# KiCad board Erebus.kicad_pcb (continued)
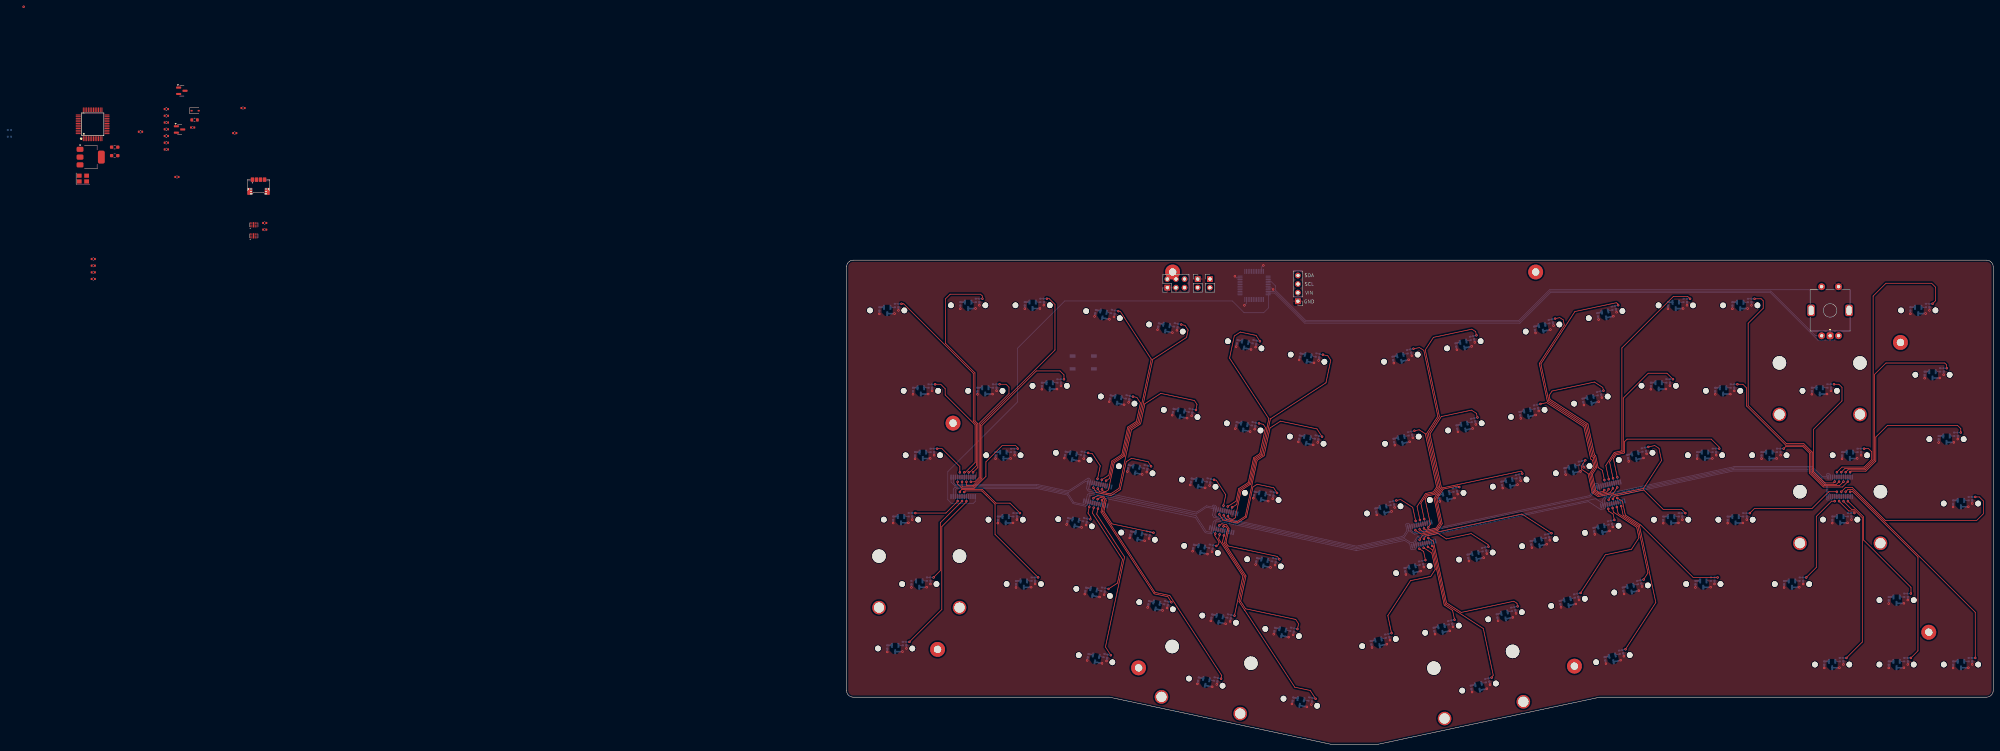
[diagram p0: board, top side]
## Routing (per net, layer and track width the routed paths; a pad name or vN(x,y) marks a point on that pad's centre or on a via; arc(x,y) is an arc through that point) (continued)
/ADC1_IN3: length 149.6
  Bottom w0.2: U5.12 124.83,132.81 124.83,129.13 123.34,127.64 117.58,127.64 114.08,131.14 64.54,131.14 50.54,117.14 50.54,101.24 29.94,80.64 29.94,72.34 31,71.28 37.48,71.28 38.05,71.84 U7.1
/ENCODER_A: length 176.6
  Bottom w0.2: ENCODER1.A 286.51,120.83 273.31,134.04 208.04,134.04 198.95,124.95 135.63,124.95 126.61,133.96 U5.10
/ENCODER_B: length 182.5
  Bottom w0.2: ENCODER1.B 292.04,119.53 287.25,119.53 273.14,133.64 208.21,133.64 199.12,124.55 135.46,124.55 126.55,133.46 U5.11
/ENCODER_SW: length 173.4
  Bottom w0.2: ENCODER1.S2 287.45,134.44 207.88,134.44 198.79,125.35 135.79,125.35 126.84,134.3 126.84,135.57 125.45,136.96 U5.4
/multiplexers/keys/KEYS_0_0: length 63.9
  Top w0.2: v1(36.1,80.43) 36.41,80.43 38.41,82.43 38.41,94.66 37.46,95.61 37.46,109.73 16.92,130.28 v1(16.23,130.28)
  Bottom w0.2: v1(16.23,130.28) 16.23,130.28 C12.1 15.33,130.28 R4.1 ; v1(36.1,80.43) U7.21
/multiplexers/keys/KEYS_0_1: length 71.7
  Top w0.2: v1(40.17,131.79) 40.17,132.58 39.63,133.12 30.63,133.12 29.23,131.72 29.23,118.6 37.96,109.87 37.96,95.67 38.81,94.83 38.81,81.84 v1(37.4,80.43)
  Bottom w0.2: R5.1 39.27,131.79 C14.1 40.17,131.79 v1(40.17,131.79) ; v1(37.4,80.43) U7.23
/multiplexers/keys/KEYS_0_2: length 73
  Top w0.2: v1(35.45,77.63) 35.45,76.69 35.61,76.53 37.38,76.53 39.61,78.76 39.61,94.61 61.63,116.63 61.63,130.09 59.92,131.8 v1(59.24,131.8)
  Bottom w0.2: v1(59.24,131.8) 59.24,131.8 C16.1 58.33,131.8 R6.1 ; v1(35.45,77.63) U7.20
/multiplexers/keys/KEYS_0_3: length 61.1
  Top w0.2: v1(76.75,77.97) 77.76,78.62 78.8,83.53 81.77,85.46 83.49,93.55 86.14,95.28 90.1,113.93 82.11,126.24 82.12,126.26 81.02,127.96 v1(80.35,128.1)
  Bottom w0.2: R7.1 79.47,128.29 C18.1 v1(80.35,128.1) ; v1(76.75,77.97) U6.21
/multiplexers/keys/KEYS_0_4: length 65
  Top w0.2: v1(75.53,75.37) 75.84,74.89 76.62,74.73 77.45,75.26 79.16,83.29 82.12,85.21 83.84,93.31 86.55,95.07 90.55,113.85 100.54,120.34 101,122.53 100.1,123.91 v1(98.97,124.15)
  Bottom w0.2: R8.1 98.09,124.34 C20.1 v1(98.97,124.15) ; v1(75.53,75.37) U6.20
/multiplexers/keys/KEYS_0_5: length 70.6
  Top w0.2: v1(122.24,119.18) 121.11,120.92 116.43,121.92 114.65,120.76 113.26,114.21 124.89,96.31 122.64,85.74 120.72,84.49 119.17,77.2 116.32,75.35 115.38,70.95 v1(114,70.05)
  Bottom w0.2: v1(114,70.05) U8.21 ; v1(122.24,119.18) 122.24,119.19 C22.1 121.35,119.38 R9.1
/multiplexers/keys/KEYS_0_6: length 67.9
  Top w0.2: v1(112.79,67.45) 113.25,66.74 114.24,66.53 114.95,66.99 116.68,75.11 119.52,76.95 121.07,84.25 123.06,85.53 125.33,96.25 141.77,106.92 143.18,113.57 142.31,114.91 v1(140.85,115.22)
  Bottom w0.2: v1(140.85,115.22) C24.1 139.97,115.41 R10.1 ; v1(112.79,67.45) U8.20
/multiplexers/keys/KEYS_0_7: length 61.1
  Top w0.2: v1(170.82,66.61) 169.83,71.29 171.45,73.8 173.77,74.29 174.95,76.1 171.57,91.99 174.84,97.03 170.71,116.49 169.4,117.34 167.66,116.97 v1(167.63,116.99)
  Bottom w0.2: v1(170.82,66.61) U9.21 ; R11.1 166.74,116.8 C26.1 v1(167.63,116.99)
/multiplexers/keys/KEYS_0_8: length 79
  Top w0.2: v1(186.26,120.95) 186.03,122.06 184.91,122.78 173.56,120.37 171.14,116.63 175.32,96.94 172.05,91.9 175.41,76.08 174.02,73.93 171.7,73.44 171.08,72.49 172.66,65.08 v1(172.02,64.1)
  Bottom w0.2: v1(172.02,64.1) U9.22 ; R12.1 185.38,120.77 C28.1 v1(186.26,120.95)
/multiplexers/keys/KEYS_0_9: length 71.1
  Top w0.2: v1(209.54,125.9) 210.89,126.19 211.92,125.53 212.25,124 204.85,112.61 207.22,101.46 218.43,94.18 220.36,85.12 220.82,84.82 221.43,81.95 220.12,79.94 221.2,74.88 222.4,74.1 224.81,74.61 v1(225.35,75.44)
  Bottom w0.2: v1(209.54,125.9) 209.54,125.91 C30.1 208.65,125.72 R13.1 ; v1(225.35,75.44) U10.18
/multiplexers/keys/KEYS_0_10: length 82.9
  Top w0.2: v1(224.08,75.17) 223.85,74.81 222.48,74.52 221.56,75.12 220.55,79.86 221.85,81.87 221.16,85.14 220.76,85.4 218.83,94.46 207.62,101.74 205.33,112.52 215.38,128 227.61,130.6 228.08,130.29 v1(228.17,129.87)
  Bottom w0.2: v1(224.08,75.17) U10.16 ; v1(228.17,129.87) C32.1 227.29,129.68 R14.1
/multiplexers/keys/KEYS_0_11: length 71.7
  Top w0.2: v1(225.38,78.41) 224.52,82.46 227.03,86.33 229.28,86.8 229.28,117.23 244.52,132.47 248.74,132.47 v1(249.43,131.78)
  Bottom w0.2: v1(249.43,131.78) 249.43,131.78 C34.1 248.53,131.78 R15.1 ; v1(225.38,78.41) U10.19
/multiplexers/keys/KEYS_0_12: length 79.2
  Top w0.2: v1(293.5,77.69) 292.7,76.89 289.2,76.89 285.57,80.52 285.57,86.42 283.07,88.92 277.91,88.92 266.61,100.22 266.61,124.52 271.06,128.97 271.06,131.17 270.46,131.78 v1(268.49,131.78)
  Bottom w0.2: v1(293.5,77.69) U11.18 ; R16.1 267.59,131.78 C36.1 v1(268.49,131.78)
/multiplexers/keys/KEYS_0_13: length 88.7
  Top w0.2: v1(294.15,80.49) 295.25,81.59 301.09,81.59 303.57,84.07 303.57,132.57 307.36,136.37 320.86,136.37 322.06,135.17 322.06,131.23 v1(321.12,130.29)
  Bottom w0.2: v1(321.12,130.29) C38.1 320.22,130.29 R17.1 ; v1(294.15,80.49) U11.19
/multiplexers/keys/KEYS_1_0: length 36.8
  Top w0.2: v1(26.19,106.48) 27.85,106.48 29.16,105.17 29.16,103.34 38.01,94.49 38.01,83.33 35.11,80.43 v1(34.8,80.43)
  Bottom w0.2: v1(26.19,106.48) C40.1 25.29,106.48 R18.1 ; v1(34.8,80.43) U7.19
/multiplexers/keys/KEYS_1_1: length 39.8
  Top w0.2: v1(36.75,77.63) 37.91,77.63 39.21,78.92 39.21,94.91 48.03,103.73 48.03,105.62 47.17,106.48 v1(45.25,106.48)
  Bottom w0.2: v1(45.25,106.48) 45.25,106.48 C42.1 44.34,106.48 R19.1 ; v1(36.75,77.63) U7.22
/multiplexers/keys/KEYS_1_2: length 60.1
  Top w0.2: v1(34.15,77.63) 34.15,76.25 34.28,76.13 37.54,76.13 40.01,78.59 40.01,94.31 56.12,110.42 63.13,110.42 64.29,109.26 v1(64.29,107.96)
  Bottom w0.2: v1(64.29,107.96) C44.1 63.39,107.97 R20.1 ; v1(34.15,77.63) U7.18
/multiplexers/keys/KEYS_1_3: length 33.8
  Top w0.2: v1(75.48,78.24) 77.55,79.59 78.44,83.78 81.41,85.7 83.13,93.8 85.72,95.48 86.89,100.99 85.85,102.59 v1(84.7,102.84)
  Bottom w0.2: R21.1 83.81,103.03 C46.1 v1(84.69,102.84) ; v1(75.48,78.24) U6.19
/multiplexers/keys/KEYS_1_4: length 56.5
  Top w0.2: v1(74.26,75.64) 74.88,74.69 78.01,74.02 80.56,75.68 84.24,93.03 86.96,94.79 88.22,100.73 92.92,103.78 102.88,101.67 103.64,100.5 103.3,98.91 v1(103.33,98.86)
  Bottom w0.2: R22.1 102.44,99.06 C48.1 103.33,98.87 v1(103.33,98.86) ; v1(74.26,75.64) U6.18
/multiplexers/keys/KEYS_1_5: length 33.6
  Top w0.2: v1(112.73,70.32) 115.18,71.91 115.96,75.6 118.81,77.45 120.36,84.74 122.22,85.95 123.87,93.67 123.24,94.63 v1(121.97,94.9)
  Bottom w0.2: v1(121.97,94.9) C50.1 121.08,95.09 R23.1 ; v1(112.73,70.32) U8.19
/multiplexers/keys/KEYS_1_6: length 56.1
  Top w0.2: v1(140.61,90.96) 139.12,93.27 128.31,95.57 125.22,93.56 123.47,85.33 121.43,84 117.91,67.45 115.46,65.86 112.28,66.53 v1(111.51,67.72)
  Bottom w0.2: v1(111.51,67.72) U8.18 ; v1(140.61,90.96) 140.61,90.97 C52.1 139.73,91.16 R24.1
/multiplexers/keys/KEYS_1_7: length 35.7
  Top w0.2: v1(169.55,66.34) 168.71,70.3 171.21,74.15 173.53,74.65 174.48,76.12 171.14,91.84 169.33,93.02 v1(167.92,92.72)
  Bottom w0.2: v1(169.55,66.34) U9.19 ; v1(167.92,92.72) C54.1 167.04,92.53 R25.1
/multiplexers/keys/KEYS_1_8: length 54.7
  Top w0.2: v1(186.57,96.67) 186.52,96.7 186.28,97.86 184.78,98.83 175.88,96.94 172.53,91.78 175.87,76.06 173.72,72.75 175.29,65.38 174.35,63.93 171.52,63.33 v1(170.75,63.83)
  Bottom w0.2: v1(170.75,63.83) U9.20 ; v1(186.56,96.67) C56.1 185.68,96.48 R26.1
/multiplexers/keys/KEYS_1_9: length 45.5
  Top w0.2: v1(205.17,100.64) 207.04,101.04 218.03,93.91 220.06,84.36 220.58,84.02 221,82.03 219.7,80.02 220.84,74.63 222.32,73.67 225.77,74.4 v1(226.62,75.71)
  Bottom w0.2: R27.1 204.29,100.46 C58.1 205.17,100.65 v1(205.17,100.64) ; v1(226.62,75.71) U10.20
/multiplexers/keys/KEYS_1_10: length 54.1
  Top w0.2: v1(223.83,104.58) 223.63,105.53 221.15,107.14 208.62,104.48 207.78,103.18 208.03,102.01 219.23,94.73 221.17,85.6 221.52,85.38 222.28,81.79 222.32,81.8 223.5,81.03 v1(224.11,78.14)
  Bottom w0.2: v1(224.11,78.14) U10.17 ; v1(223.83,104.58) C60.1 222.94,104.4 R28.1
/multiplexers/keys/KEYS_1_11: length 48.1
  Top w0.2: v1(226.65,78.68) 225.64,83.45 227.27,85.97 229.56,86.45 229.68,86.64 229.68,102.38 237.05,109.75 242.61,109.75 v1(244.38,107.98)
  Bottom w0.2: R29.1 243.47,107.98 C62.1 v1(244.38,107.98) ; v1(226.65,78.68) U10.21
/multiplexers/keys/KEYS_1_12: length 54.2
  Top w0.2: v1(294.8,77.69) 293.6,76.49 289.04,76.49 285.17,80.36 285.17,86.26 282.96,88.47 277.73,88.47 266.16,100.03 266.16,105.37 265.05,106.48 v1(263.41,106.48)
  Bottom w0.2: v1(294.8,77.69) U11.20 ; R30.1 262.51,106.48 C64.1 v1(263.41,106.48)
/multiplexers/keys/KEYS_1_13: length 42.2
  Top w0.2: v1(292.2,77.69) 291.8,77.29 289.37,77.29 285.97,80.69 285.97,93.17 294.36,101.57 294.36,105.57 293.44,106.49 v1(291.99,106.49)
  Bottom w0.2: R31.1 291.08,106.49 C66.1 v1(291.99,106.49) ; v1(292.2,77.69) U11.16
/multiplexers/keys/KEYS_1_14: length 62.8
  Top w0.2: v1(325.34,111.24) 325.31,111.27 325.31,112.23 324.76,112.77 307.36,112.77 303.97,109.37 303.97,83.91 301.25,81.19 296.15,81.19 v1(295.45,80.49)
  Bottom w0.2: R32.1 324.43,111.24 C68.1 v1(325.34,111.24) ; v1(295.45,80.49) U11.21
/multiplexers/keys/KEYS_2_0: length 14
  Top w0.2: v1(33.5,80.43) 33.5,82.15 28.22,87.43 v1(26.79,87.43)
  Bottom w0.2: v1(33.5,80.43) U7.17 ; R33.1 25.88,87.43 C70.1 26.79,87.43 v1(26.79,87.43)
/multiplexers/keys/KEYS_2_1: length 30.5
  Top w0.2: v1(50.6,87.43) 50.6,87.74 50.01,88.33 46.01,88.33 41.21,83.53 41.21,79.23 37.71,75.73 34.11,75.73 32.85,76.99 v1(32.85,77.63)
  Bottom w0.2: v1(32.85,77.63) U7.16 ; R34.1 49.7,87.43 C72.1 v1(50.6,87.43)
/multiplexers/keys/KEYS_2_2: length 12.9
  Top w0.2: v1(71.41,86.18) 72.71,85.9 75.02,82.34 v1(74.21,78.51)
  Bottom w0.2: R35.1 70.53,86.37 C74.1 v1(71.41,86.18) ; v1(74.21,78.51) U6.17
/multiplexers/keys/KEYS_2_3: length 29.5
  Top w0.2: v1(72.99,75.91) 73.91,74.48 78.22,73.57 80.94,75.34 82.69,83.56 84.28,84.59 89.18,83.54 v1(90.04,82.21)
  Bottom w0.2: v1(90.04,82.21) 90.04,82.22 C76.1 89.16,82.41 R36.1 ; v1(72.99,75.91) U6.16
/multiplexers/keys/KEYS_2_4: length 12.5
  Top w0.2: v1(108.66,78.24) 109.33,78.1 112.14,73.77 v1(111.46,70.59)
  Bottom w0.2: v1(108.66,78.24) 108.66,78.24 C78.1 107.78,78.43 R37.1 ; v1(111.46,70.59) U8.17
/multiplexers/keys/KEYS_2_5: length 30.2
  Top w0.2: v1(110.24,67.99) 111.32,66.33 115.54,65.43 118.27,67.2 120.16,76.1 121.4,76.91 126.3,75.87 v1(127.3,74.33)
  Bottom w0.2: R38.1 126.42,74.52 C80.1 v1(127.3,74.33) ; v1(110.24,67.99) U8.16
/multiplexers/keys/KEYS_2_6: length 12.9
  Top w0.2: v1(162.58,72.11) 162.58,72.12 163.85,72.38 167.43,70.06 v1(168.28,66.07)
  Bottom w0.2: v1(168.28,66.07) U9.17 ; v1(162.57,72.11) C82.1 161.69,71.92 R39.1
/multiplexers/keys/KEYS_2_7: length 28.7
  Top w0.2: v1(181.19,76.08) 180.72,76.39 176.45,75.48 174.58,72.6 176.15,65.23 174.84,63.22 169.92,62.18 v1(168.2,63.29)
  Bottom w0.2: R40.1 180.31,75.9 C84.1 181.19,76.08 v1(181.19,76.08) ; v1(168.2,63.29) U9.16
/multiplexers/keys/KEYS_2_8: length 46.8
  Top w0.2: v1(169.48,63.56) 170.72,62.75 174.6,63.58 175.71,65.3 174.15,72.67 176.21,75.84 199.47,80.78 199.68,80.64 v1(199.81,80.03)
  Bottom w0.2: v1(199.81,80.03) C86.1 198.93,79.85 R41.1 ; v1(169.48,63.56) U9.18
/multiplexers/keys/KEYS_2_9: length 23.3
  Top w0.2: v1(218.44,83.99) 217.25,82.16 217.44,81.25 219.28,80.06 220.48,74.39 222.24,73.24 226.74,74.2 v1(227.89,75.98)
  Bottom w0.2: v1(227.89,75.98) U10.22 ; R42.1 217.56,83.81 C88.1 218.44,84 v1(218.44,83.99)
/multiplexers/keys/KEYS_2_10: length 31.5
  Top w0.2: v1(237.07,87.94) 238.99,88.35 240.24,87.54 241.01,83.92 235.66,75.69 226.24,73.69 v1(225.35,72.31)
  Bottom w0.2: R43.1 236.19,87.76 C90.1 237.07,87.95 v1(237.07,87.94) ; v1(225.35,72.31) U10.8
/multiplexers/keys/KEYS_2_11: length 46.1
  Top w0.2: v1(227.93,78.95) 226.76,84.44 227.52,85.61 229.9,86.12 230.08,86.3 230.08,89.53 230.8,90.25 255.7,90.25 258.07,87.88 v1(258.07,87.44)
  Bottom w0.2: v1(258.07,87.44) 258.07,87.44 C92.1 257.16,87.44 R44.1 ; v1(227.93,78.95) U10.23
/multiplexers/keys/KEYS_2_12: length 31.6
  Top w0.2: v1(277.11,87.44) 277.68,88.02 282.84,88.02 284.77,86.09 284.77,80.19 288.87,76.09 294.5,76.09 v1(296.1,77.69)
  Bottom w0.2: v1(296.1,77.69) U11.22 ; R45.1 276.2,87.44 C94.1 v1(277.1,87.44)
/multiplexers/keys/KEYS_2_13: length 20.2
  Top w0.2: v1(292.85,80.49) 294.35,81.99 300.92,81.99 303.17,84.24 303.17,86.49 302.23,87.43 v1(300.92,87.43)
  Bottom w0.2: v1(300.92,87.43) C96.1 300.01,87.43 R46.1 ; v1(292.85,80.49) U11.17
/multiplexers/keys/KEYS_2_14: length 47.6
  Top w0.2: v1(329.49,92.2) 329.49,93.34 328.56,94.27 307.76,94.27 304.37,90.87 304.37,83.74 301.42,80.79 297.05,80.79 v1(296.75,80.49)
  Bottom w0.2: v1(296.75,80.49) U11.23 ; R47.1 328.59,92.21 C98.1 v1(329.49,92.2)
/multiplexers/keys/KEYS_3_0: length 17.3
  Top w0.2: v1(32.85,71.93) 32.85,71.86 29.37,68.39 v1(20.32,68.39)
  Bottom w0.2: v1(20.32,68.39) 20.32,68.39 C100.1 19.42,68.39 R48.1 ; v1(32.85,71.93) U7.9
/multiplexers/keys/KEYS_3_1: length 24.3
  Top w0.2: v1(51.27,68.38) 48.33,71.33 44.18,71.33 41.58,73.93 41.56,73.93 40.16,75.33 34.01,75.33 33.5,74.81 v1(33.5,74.63)
  Bottom w0.2: v1(33.5,74.63) U7.8 ; R49.1 50.37,68.38 C102.1 v1(51.27,68.38)
/multiplexers/keys/KEYS_3_2: length 7.3
  Top w0.2: v1(71.79,70.25) 71.39,68.4 72.23,67.11 v1(72.11,66.54)
  Bottom w0.2: R50.1 71.22,66.73 C104.1 72.11,66.54 v1(72.11,66.54) ; v1(71.79,70.25) U6.9
/multiplexers/keys/KEYS_3_3: length 28.3
  Top w0.2: v1(72.99,72.78) 74.23,73.59 76.15,73.18 76.8,72.19 76.09,68.87 78.48,65.19 v1(90.74,62.58)
  Bottom w0.2: R51.1 89.86,62.77 C106.1 90.74,62.58 v1(90.74,62.58) ; v1(72.99,72.78) U6.8
/multiplexers/keys/KEYS_3_4: length 7.7
  Top w0.2: v1(109.33,58.66) 110,59.09 110.16,59.83 108.91,61.74 v1(109.04,62.32)
  Bottom w0.2: v1(109.33,58.66) C108.1 108.45,58.85 R52.1 ; v1(109.04,62.32) U8.9
/multiplexers/keys/KEYS_3_5: length 28.2
  Top w0.2: v1(110.21,64.72) 110.98,65.22 112.38,64.93 113.09,63.83 112.2,59.63 112.83,58.65 127.42,55.54 v1(127.98,54.69)
  Bottom w0.2: v1(110.21,64.72) U8.8 ; R53.1 127.09,54.88 C110.1 v1(127.98,54.69)
/multiplexers/keys/KEYS_3_6: length 7.3
  Top w0.2: v1(169.36,57.84) 170.65,57 v1(171.19,54.47)
  Bottom w0.2: R54.1 170.3,54.28 C112.1 v1(171.19,54.47) ; v1(169.36,57.84) U9.9
/multiplexers/keys/KEYS_3_7: length 25
  Top w0.2: v1(170.73,60.77) 171.27,61.6 174.87,62.36 177.36,60.75 184.69,62.3 189.69,59.06 v1(189.82,58.44)
  Bottom w0.2: R55.1 188.93,58.26 C114.1 v1(189.82,58.44) ; v1(170.73,60.77) U9.6
/multiplexers/keys/KEYS_3_8: length 45.4
  Top w0.2: v1(169.46,60.5) 170.34,61.86 199.7,68.1 v1(208.45,62.42)
  Bottom w0.2: v1(208.45,62.42) C116.1 207.56,62.23 R56.1 ; v1(169.46,60.5) U9.8
/multiplexers/keys/KEYS_3_9: length 7.3
  Top w0.2: v1(227.05,66.35) 226.68,68.1 225.4,68.93 v1(225.25,69.63)
  Bottom w0.2: v1(225.25,69.63) U10.9 ; v1(227.05,66.35) 227.05,66.36 C118.1 226.17,66.17 R57.1
/multiplexers/keys/KEYS_3_10: length 28.1
  Top w0.2: v1(248.05,68.36) 246.92,69.49 241.47,69.49 235.73,75.23 235.7,75.23 227.16,73.41 v1(226.62,72.58)
  Bottom w0.2: v1(248.05,68.36) 248.05,68.37 C120.1 247.14,68.37 R58.1 ; v1(226.62,72.58) U10.6
/multiplexers/keys/KEYS_3_11: length 31.7
  Top w0.2: v1(267.1,68.36) 268.45,69.72 285.49,69.72 290.46,74.69 v1(292.85,74.69)
  Bottom w0.2: v1(292.85,74.69) U11.8 ; R59.1 266.19,68.37 C122.1 267.1,68.37 v1(267.1,68.36)
/multiplexers/keys/KEYS_3_12: length 9.5
  Top w0.2: v1(298.05,68.39) 298.05,68.71 297.77,68.99 296.37,68.99 293.5,71.86 v1(293.5,71.89)
  Bottom w0.2: R60.1 297.14,68.39 C124.1 v1(298.05,68.39) ; U11.7 v1(293.5,71.89)
/multiplexers/keys/KEYS_3_13: length 57.4
  Top w0.2: v1(333.76,73.15) 334.98,73.15 336.16,71.97 336.16,68.17 334.16,66.17 307.19,66.17 297.47,75.89 295.35,75.89 v1(294.15,74.69)
  Bottom w0.2: v1(333.76,73.15) 333.76,73.15 C126.1 332.86,73.16 R61.1 ; v1(294.15,74.69) U11.6
/multiplexers/keys/KEYS_4_0: length 29.4
  Top w0.2: v1(25.72,49.34) 27.72,51.34 27.72,65.5 v1(34.15,71.93)
  Bottom w0.2: v1(25.72,49.34) C128.1 24.82,49.34 R62.1 ; v1(34.15,71.93) U7.7
/multiplexers/keys/KEYS_4_1: length 41.4
  Top w0.2: v1(34.8,74.63) 35.1,74.93 40,74.93 41.4,73.53 41.41,73.53 43.91,71.03 43.91,62.08 v1(56.65,49.34) 56.65,49.61
  Bottom w0.2: v1(34.8,74.63) U7.6 ; v1(56.65,49.34) 56.65,49.34 C130.1 55.74,49.34 R63.1
/multiplexers/keys/KEYS_4_2: length 31.6
  Top w0.2: v1(77.44,45.94) 80.11,47.68 81.6,54.7 72.72,68.38 v1(73.06,69.98)
  Bottom w0.2: v1(73.06,69.98) U6.7 ; v1(77.44,45.94) C132.1 76.56,46.13 R64.1
/multiplexers/keys/KEYS_4_3: length 41.9
  Top w0.2: v1(75.53,72.22) 75.87,71.68 75.24,68.71 90.96,44.5 94.99,43.64 v1(96.06,41.99)
  Bottom w0.2: v1(75.53,72.22) U6.4 ; R65.1 95.18,42.18 C134.1 v1(96.06,41.99)
/multiplexers/keys/KEYS_4_4: length 29.7
  Top w0.2: v1(114.71,38.03) 117.19,49.73 110.03,60.75 v1(110.31,62.04)
  Bottom w0.2: v1(110.31,62.04) U8.7 ; v1(114.7,38.03) C136.1 113.82,38.22 R66.1
/multiplexers/keys/KEYS_4_5: length 49.2
  Top w0.2: v1(133.34,34.08) 133.66,35.62 132.83,36.91 117.99,40.06 116.53,42.3 118.12,49.77 111.77,59.55 112.67,63.76 112.33,64.27 v1(111.48,64.45)
  Bottom w0.2: v1(111.48,64.45) U8.6 ; R67.1 132.45,34.27 C138.1 133.34,34.08 v1(133.34,34.08)
/multiplexers/keys/KEYS_4_6: length 37.2
  Top w0.2: v1(161.16,32.86) 160.06,38.04 166.78,48.39 172.75,49.65 174.09,51.72 173.06,56.56 170.67,58.11 v1(170.64,58.11)
  Bottom w0.2: v1(161.16,32.86) 161.16,32.86 C174.1 160.28,32.67 R92.1 ; v1(170.64,58.11) U9.7
/multiplexers/keys/KEYS_4_7: length 27.2
  Top w0.2: v1(171.91,58.38) 173.27,57.49 176.74,41.18 179.21,39.58 v1(179.8,36.81)
  Bottom w0.2: v1(171.91,58.38) U9.5 ; R68.1 178.91,36.63 C140.1 179.8,36.81 v1(179.8,36.81)
/multiplexers/keys/KEYS_4_8: length 46.9
  Top w0.2: v1(198.44,40.79) 198.25,41.69 197.31,42.3 181.76,39 177.42,41.81 173.55,60.04 v1(172.01,61.04)
  Bottom w0.2: v1(172.01,61.04) U9.4 ; R69.1 197.55,40.6 C142.1 198.44,40.79 v1(198.44,40.79)
/multiplexers/keys/KEYS_4_9: length 41.3
  Top w0.2: v1(217.06,44.75) 224.39,56.04 232.12,57.68 234.31,61.07 233.65,64.19 226.79,68.64 v1(226.53,69.9)
  Bottom w0.2: R70.1 216.17,44.57 C144.1 217.06,44.75 v1(217.06,44.75) ; v1(226.53,69.9) U10.7
/multiplexers/keys/KEYS_4_10: length 28.6
  Top w0.2: v1(227.8,70.18) 227.78,70.15 228.19,68.21 234.06,64.4 236.98,50.68 v1(235.7,48.71)
  Bottom w0.2: R71.1 234.82,48.53 C146.1 v1(235.7,48.71) ; v1(227.8,70.18) U10.5
/multiplexers/keys/KEYS_4_11: length 43.8
  Top w0.2: v1(257.57,49.34) 250.35,49.34 234.84,64.85 230.3,67.8 229.43,71.85 v1(227.89,72.85)
  Bottom w0.2: v1(227.89,72.85) U10.4 ; v1(257.57,49.34) C148.1 256.67,49.34 R72.1
/multiplexers/keys/KEYS_4_12: length 29.9
  Top w0.2: v1(283.79,49.33) 286.76,52.31 286.76,67.38 291.27,71.89 v1(292.2,71.89)
  Bottom w0.2: R73.1 282.88,49.33 C150.1 v1(283.78,49.33) ; v1(292.2,71.89) U11.9
/multiplexers/keys/KEYS_4_13: length 38.4
  Top w0.2: v1(296.1,71.89) 300.76,67.23 300.76,60.4 314.77,46.39 314.77,44.62 v1(314.72,44.58)
  Bottom w0.2: v1(314.72,44.58) C152.1 313.82,44.58 R74.1 ; v1(296.1,71.89) U11.3
/multiplexers/keys/KEYS_5_0: length 51.9
  Top w0.2: v1(18.58,30.28) 28.17,39.87 28.17,64.39 35.45,71.66 v1(35.45,71.93)
  Bottom w0.2: R75.1 17.68,30.28 C154.1 18.58,30.28 v1(18.58,30.28) ; v1(35.45,71.93) U7.5
/multiplexers/keys/KEYS_5_1: length 50.2
  Top w0.2: v1(74.33,69.71) 73.98,68.06 82.21,55.38 76.56,28.78 v1(78.15,26.32)
  Bottom w0.2: v1(74.33,69.71) U6.5 ; R76.1 77.27,26.51 C156.1 v1(78.15,26.32)
/multiplexers/keys/KEYS_5_2: length 71.5
  Top w0.2: v1(110.76,19.39) 110.95,20.31 95.58,43.98 91.17,44.92 75.67,68.79 76.37,72.11 75.91,72.83 75.06,73.01 v1(74.26,72.49)
  Bottom w0.2: v1(110.76,19.39) C158.1 109.87,19.58 R77.1 ; v1(74.26,72.49) U6.6
/multiplexers/keys/KEYS_5_3: length 62.9
  Top w0.2: v1(138.71,13.46) 137.12,15.89 132.55,16.87 117.75,39.65 117.71,39.66 116.05,42.22 117.66,49.75 111.15,59.76 v1(111.58,61.77)
  Bottom w0.2: v1(111.58,61.77) U8.5 ; R78.1 137.82,13.65 C160.1 138.71,13.46 v1(138.71,13.46)
/multiplexers/keys/KEYS_5_4: length 49.2
  Top w0.2: v1(190.76,19.69) 191.23,20.42 188.3,34.21 177.08,41.5 173.47,58.46 v1(173.18,58.65)
  Bottom w0.2: v1(173.18,58.65) U9.3 ; v1(190.76,19.69) 190.76,19.7 C162.1 189.87,19.51 R79.1
/multiplexers/keys/KEYS_5_5: length 51.5
  Top w0.2: v1(229.07,70.45) 229.64,67.75 234.48,64.61 239.31,41.91 v1(230.34,28.1)
  Bottom w0.2: R80.1 229.46,27.92 C164.1 230.34,28.1 v1(230.34,28.1) ; v1(229.07,70.45) U10.3
/multiplexers/keys/KEYS_5_6: length 54.4
  Top w0.2: v1(295.66,25.53) 300.36,30.23 300.36,66.99 297.97,69.39 297.27,69.39 294.8,71.86 v1(294.8,71.89)
  Bottom w0.2: v1(294.8,71.89) U11.5 ; v1(295.66,25.53) 295.66,25.53 C166.1 294.76,25.53 R81.1
/multiplexers/keys/KEYS_5_7: length 62.2
  Top w0.2: v1(296.77,74.69) 297.54,74.69 316.83,55.4 316.83,27.64 v1(314.72,25.53)
  Bottom w0.2: v1(314.72,25.53) C168.1 313.82,25.53 R82.1 ; U11.2 296.77,73.31 v1(296.77,74.69)
/multiplexers/keys/KEYS_5_8: length 70.5
  Top w0.2: v1(295.45,74.69) 296.1,75.34 297.45,75.34 333.77,39.02 v1(333.77,25.53)
  Bottom w0.2: R91.1 332.87,25.53 C172.1 v1(333.77,25.53) ; v1(295.45,74.69) U11.4
/S0: length 290.4
  Bottom w0.2: U7.10 32.2,75.31 32.51,75.63 56.32,75.63 65.32,73.71 66.96,71.19 70.66,70.4 71.23,70.77 U6.10 ; 150.7,57.29 150.7,57.3 ; 150.7,57.29 150.79,57.27 165,60.29 166.52,59.3 166.86,57.72 167.15,57.53 168.38,57.8 168.63,58.18 U9.10 168.27,59.86 169.06,61.08 219.4,71.78 223,69.44 224.22,69.7 224.49,70.12 U10.10 224.07,72.07 224.56,72.82 262.18,80.82 285.18,80.82 289.75,76.25 289.75,72.48 289.98,72.25 291.17,72.25 291.55,72.63 U11.10 ; 150.7,57.29 109.45,66.06 109.12,65.85 U8.10 108.44,62.62 107.82,62.22 106.06,62.59 103.15,67.06 71.91,73.7 71.85,73.66 U6.10 ; 71.29,71.03 U6.10
/S1: length 286.8
  Bottom w0.2: U7.11 31.55,75.36 31.58,75.53 31.99,75.94 32.26,75.94 32.37,76.05 56.24,76.05 65.56,74.07 67.2,71.54 70.21,70.91 70.66,71.2 U6.11 ; U6.11 70.95,72.58 ; U6.11 71.22,73.84 71.94,74.31 103.31,67.64 106.33,62.99 107.73,62.7 107.8,62.74 U8.11 108.47,65.9 109.43,66.53 150.7,57.75 165.04,60.8 166.83,59.64 167.25,59.73 167.69,59.44 U9.11 167.65,59.64 168.82,61.44 221.51,72.64 223.57,71.3 U10.11 223.4,72.08 224.09,73.13 262.14,81.22 285.35,81.22 290.15,76.41 290.15,74.69 290.9,73.94 U11.11
/S2: length 287
  Bottom w0.2: U11.14 290.9,79.67 290.52,80.05 289.98,80.05 289.75,79.82 289.75,79.14 288.56,79.14 285.56,82.14 262.49,82.14 262.45,82.1 223.59,73.84 222.94,74.27 222.38,76.93 221.96,77.2 221.4,77.08 221.23,76.8 221.38,76.08 219.74,73.56 167.99,62.56 166.88,63.28 U9.14 166.49,65.09 166.11,65.34 165.52,65.21 165.33,64.92 165.69,63.21 164.76,61.76 164.29,61.46 150.82,58.6 109.07,67.47 108.87,67.78 U8.14 109.38,70.2 109.1,70.64 108.59,70.75 108.28,70.55 108.2,70.16 106.41,70.54 103.51,68.65 71.65,75.43 71.58,75.53 U6.14 72.14,78.16 71.84,78.63 71.41,78.72 65.57,74.92 65.4,74.92 56.23,76.87 56.22,76.88 32.12,76.88 31.55,77.45 U7.14
/S3: length 279.9
  Bottom w0.2: 262.11,81.62 262.25,81.65 ; 262.11,81.62 262.65,81.74 285.39,81.74 288.39,78.74 289.98,78.74 U11.13 ; 262.11,81.62 223.51,73.42 222.29,74.22 U10.13 219.99,73.2 167.91,62.13 166.25,63.21 166.23,63.21 ; 166.23,63.21 U9.13 ; 166.23,63.21 164.99,61.3 164.76,61.15 150.82,58.19 108.6,67.16 108.2,67.77 U8.13 106.49,70.11 103.41,68.11 71.45,74.91 70.95,75.68 U6.13 70.63,77.73 65.62,74.48 65.57,74.48 56.16,76.48 32.23,76.48 32.09,76.34 30.9,77.54 U7.13
Net-(SW2-VOUT): length 1.3
  Bottom w0.2: R4.2 14.28,129.25 SW2.3
Net-(SW3-VOUT): length 1.3
  Bottom w0.2: R5.2 38.22,130.76 SW3.3
Net-(SW4-VOUT): length 1.3
  Bottom w0.2: SW4.3 57.28,130.77 R6.2
Net-(SW5-VOUT): length 1.3
  Bottom w0.2: R7.2 78.23,127.5 SW5.3
Net-(SW6-VOUT): length 1.3
  Bottom w0.2: SW6.3 96.84,123.55 R8.2
Net-(SW7-VOUT): length 1.3
  Bottom w0.2: R9.2 120.11,118.59 SW7.3
Net-(SW8-VOUT): length 1.3
  Bottom w0.2: SW8.3 138.73,114.62 R10.2
Net-(SW9-VOUT): length 1.3
  Bottom w0.2: R11.2 165.93,115.58 SW9.3
Net-(SW10-VOUT): length 1.3
  Bottom w0.2: SW10.3 184.56,119.54 R12.2
Net-(SW11-VOUT): length 1.3
  Bottom w0.2: SW11.3 207.84,124.49 R13.2
Net-(SW12-VOUT): length 1.3
  Bottom w0.2: SW12.3 226.47,128.46 R14.2
Net-(SW13-VOUT): length 1.3
  Bottom w0.2: R15.2 247.48,130.75 SW13.3
Net-(SW14-VOUT): length 1.3
  Bottom w0.2: SW14.3 266.54,130.75 R16.2
Net-(SW15-VOUT): length 1.3
  Bottom w0.2: R17.2 319.17,129.26 SW15.3
Net-(SW16-VOUT): length 1.3
  Bottom w0.2: SW16.3 24.24,105.45 R18.2
Net-(SW17-VOUT): length 1.3
  Bottom w0.2: SW17.3 43.29,105.45 R19.2
Net-(SW18-VOUT): length 1.3
  Bottom w0.2: SW18.3 62.34,106.94 R20.2
Net-(SW19-VOUT): length 1.3
  Bottom w0.2: R21.2 82.57,102.24 SW19.3
Net-(SW20-VOUT): length 1.3
  Bottom w0.2: R22.2 101.2,98.27 SW20.3
Net-(SW21-VOUT): length 1.3
  Bottom w0.2: SW21.3 119.84,94.3 R23.2
Net-(SW22-VOUT): length 1.3
  Bottom w0.2: SW22.3 138.49,90.37 R24.2
Net-(SW23-VOUT): length 1.3
  Bottom w0.2: SW23.3 166.22,91.31 R25.2
Net-(SW24-VOUT): length 1.3
  Bottom w0.2: R26.2 184.87,95.26 SW24.3
Net-(SW25-VOUT): length 1.3
  Bottom w0.2: SW25.3 203.47,99.23 R27.2
Net-(SW26-VOUT): length 1.3
  Bottom w0.2: SW26.3 222.13,103.17 R28.2
Net-(SW27-VOUT): length 1.3
  Bottom w0.2: R29.2 242.42,106.95 SW27.3
Net-(SW28-VOUT): length 1.3
  Bottom w0.2: R30.2 261.46,105.45 SW28.3
Net-(SW29-VOUT): length 1.3
  Bottom w0.2: SW29.3 290.03,105.46 R31.2
Net-(SW30-VOUT): length 1.3
  Bottom w0.2: R32.2 323.38,110.21 SW30.3
Net-(SW31-VOUT): length 1.3
  Bottom w0.2: SW31.3 24.83,86.4 R33.2
Net-(SW32-VOUT): length 1.3
  Bottom w0.2: R34.2 48.65,86.4 SW32.3
Net-(SW33-VOUT): length 1.3
  Bottom w0.2: R35.2 69.28,85.58 SW33.3
Net-(SW34-VOUT): length 1.3
  Bottom w0.2: SW34.3 87.92,81.62 R36.2
Net-(SW35-VOUT): length 1.3
  Bottom w0.2: SW35.3 106.53,77.64 R37.2
Net-(SW36-VOUT): length 1.3
  Bottom w0.2: SW36.3 125.18,73.73 R38.2
Net-(SW37-VOUT): length 1.3
  Bottom w0.2: R39.2 160.88,70.7 SW37.3
Net-(SW38-VOUT): length 1.3
  Bottom w0.2: R40.2 179.49,74.67 SW38.3
Net-(SW39-VOUT): length 1.3
  Bottom w0.2: R41.2 198.11,78.62 SW39.3
Net-(SW40-VOUT): length 1.3
  Bottom w0.2: SW40.3 216.74,82.58 R42.2
Net-(SW41-VOUT): length 1.3
  Bottom w0.2: SW41.3 235.37,86.53 R43.2
Net-(SW42-VOUT): length 1.3
  Bottom w0.2: R44.2 256.11,86.41 SW42.3
Net-(SW43-VOUT): length 1.3
  Bottom w0.2: SW43.3 275.15,86.41 R45.2
Net-(SW44-VOUT): length 1.3
  Bottom w0.2: SW44.3 298.96,86.4 R46.2
Net-(SW45-VOUT): length 1.3
  Bottom w0.2: SW45.3 327.54,91.17 R47.2
Net-(SW46-VOUT): length 1.3
  Bottom w0.2: SW46.3 18.37,67.36 R48.2
Net-(SW47-VOUT): length 1.3
  Bottom w0.2: SW47.3 49.32,67.35 R49.2
Net-(SW48-VOUT): length 1.3
  Bottom w0.2: SW48.3 69.98,65.94 R50.2
Net-(SW49-VOUT): length 1.3
  Bottom w0.2: SW49.3 88.61,61.98 R51.2
Net-(SW50-VOUT): length 1.3
  Bottom w0.2: R52.2 107.21,58.06 SW50.3
Net-(SW51-VOUT): length 1.3
  Bottom w0.2: SW51.3 125.85,54.09 R53.2
Net-(SW52-VOUT): length 1.3
  Bottom w0.2: R54.2 169.49,53.06 SW52.3
Net-(SW53-VOUT): length 1.3
  Bottom w0.2: SW53.3 188.12,57.03 R55.2
Net-(SW54-VOUT): length 1.3
  Bottom w0.2: R56.2 206.75,61.01 SW54.3
Net-(SW55-VOUT): length 1.3
  Bottom w0.2: R57.2 225.35,64.94 SW55.3
Net-(SW56-VOUT): length 1.3
  Bottom w0.2: R58.2 246.09,67.34 SW56.3
Net-(SW57-VOUT): length 1.3
  Bottom w0.2: R59.2 265.14,67.34 SW57.3
Net-(SW58-VOUT): length 1.3
  Bottom w0.2: SW58.3 296.09,67.36 R60.2
Net-(SW59-VOUT): length 1.3
  Bottom w0.2: R61.2 331.8,72.12 SW59.3
Net-(SW60-VOUT): length 1.3
  Bottom w0.2: SW60.3 22.46,48.32 R62.2
Net-(SW61-VOUT): length 1.3
  Bottom w0.2: SW61.3 54.69,48.31 R63.2
Net-(SW62-VOUT): length 1.3
  Bottom w0.2: SW62.3 75.32,45.34 R64.2
Net-(SW63-VOUT): length 1.3
  Bottom w0.2: R65.2 93.94,41.39 SW63.3
Net-(SW64-VOUT): length 1.3
  Bottom w0.2: SW64.3 112.58,37.43 R66.2
Net-(SW65-VOUT): length 1.3
  Bottom w0.2: R67.2 131.21,33.48 SW65.3
Net-(SW66-VOUT): length 1.3
  Bottom w0.2: SW66.3 178.1,35.4 R68.2
Net-(SW67-VOUT): length 1.3
  Bottom w0.2: SW67.3 196.74,39.38 R69.2
Net-(SW68-VOUT): length 1.3
  Bottom w0.2: R70.2 215.36,43.34 SW68.3
Net-(SW69-VOUT): length 1.3
  Bottom w0.2: SW69.3 234,47.3 R71.2
Net-(SW70-VOUT): length 1.3
  Bottom w0.2: SW70.3 255.62,48.31 R72.2
Net-(SW71-VOUT): length 1.3
  Bottom w0.2: SW71.3 281.83,48.3 R73.2
Net-(SW72-VOUT): length 1.3
  Bottom w0.2: R74.2 312.77,43.55 SW72.3
Net-(SW73-VOUT): length 1.3
  Bottom w0.2: SW73.3 16.63,29.25 R75.2
Net-(SW74-VOUT): length 1.3
  Bottom w0.2: SW74.3 76.03,25.72 R76.2
Net-(SW75-VOUT): length 1.3
  Bottom w0.2: SW75.3 108.63,18.79 R77.2
Net-(SW76-VOUT): length 1.3
  Bottom w0.2: R78.2 136.58,12.86 SW76.3
Net-(SW77-VOUT): length 1.3
  Bottom w0.2: R79.2 189.06,18.28 SW77.3
Net-(SW78-VOUT): length 1.3
  Bottom w0.2: R80.2 228.64,26.69 SW78.3
Net-(SW79-VOUT): length 1.3
  Bottom w0.2: R81.2 293.7,24.5 SW79.3
Net-(SW80-VOUT): length 1.3
  Bottom w0.2: R82.2 312.77,24.5 SW80.3
Net-(SW81-VOUT): length 1.3
  Bottom w0.2: SW81.3 331.82,24.5 R91.2
Net-(SW82-VOUT): length 1.3
  Bottom w0.2: SW82.3 159.46,31.45 R92.2

## Copper pours and planes (outline as drawn; the poured copper is in the pictures)
GND on Top, Bottom: 338.58,144.17 -2.72,144.07 -2.72,-3.13 339.08,-3.23
